# KiCad board Kanagawa_rgb_iso_pico.kicad_pcb
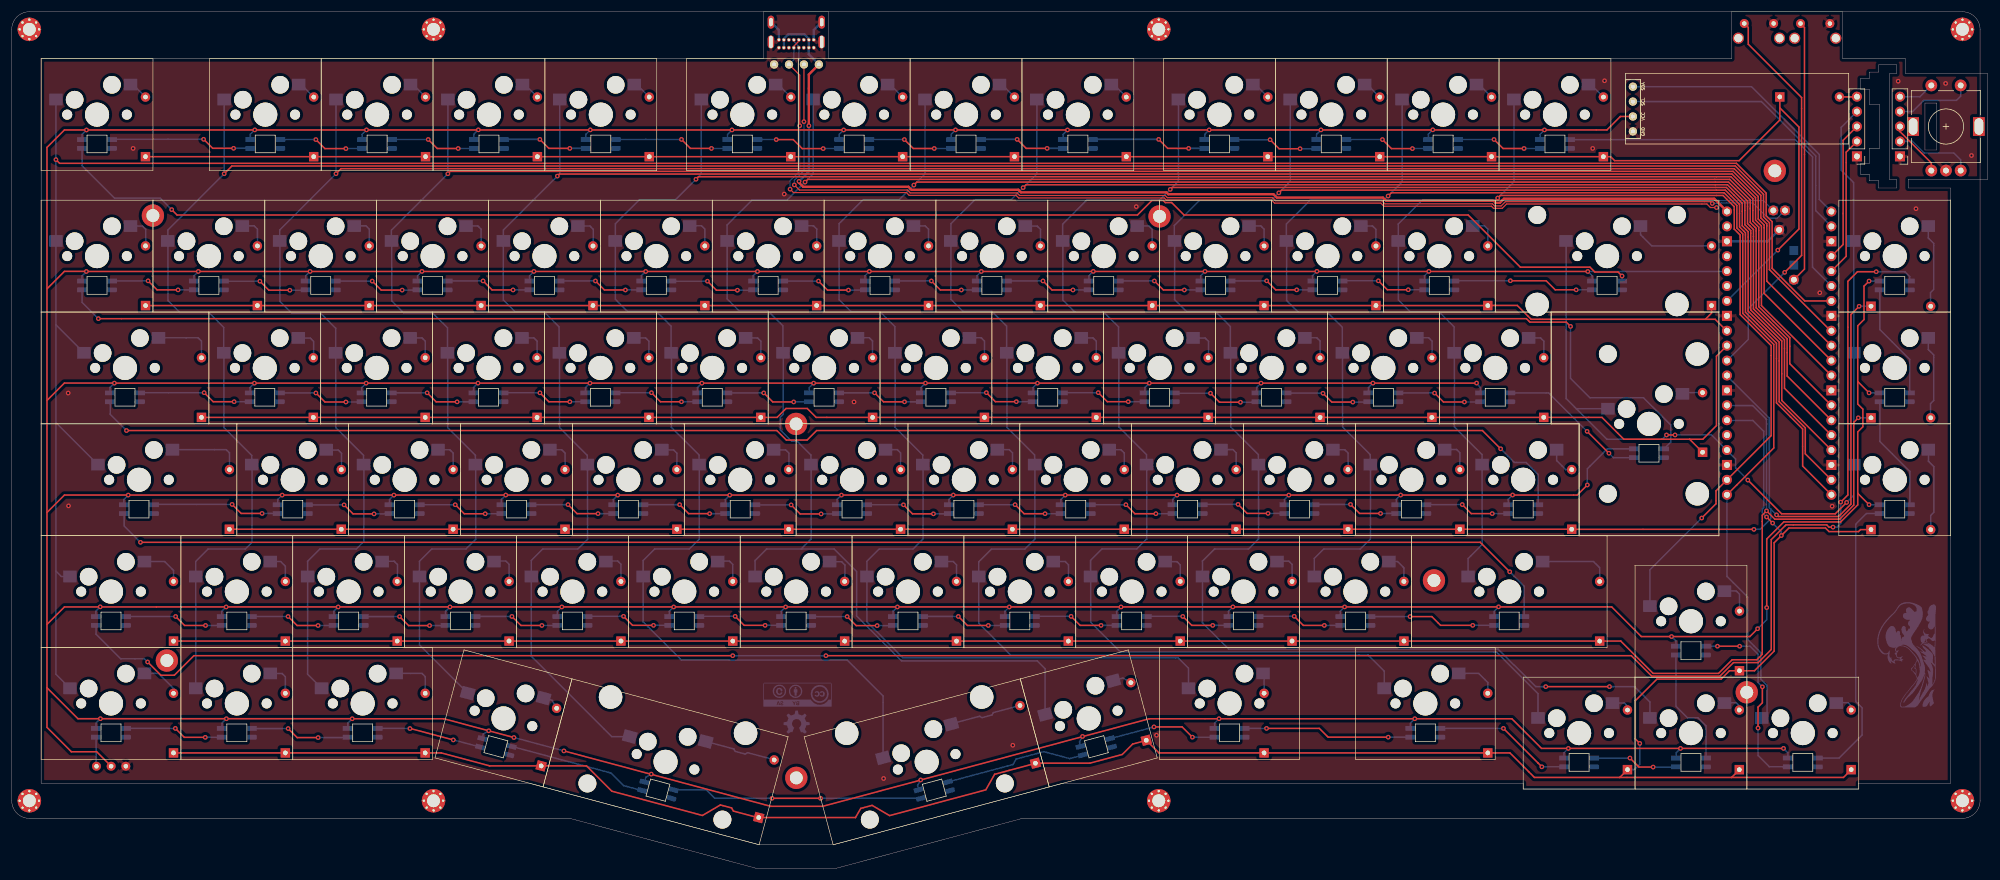
[diagram p0: board, top side]
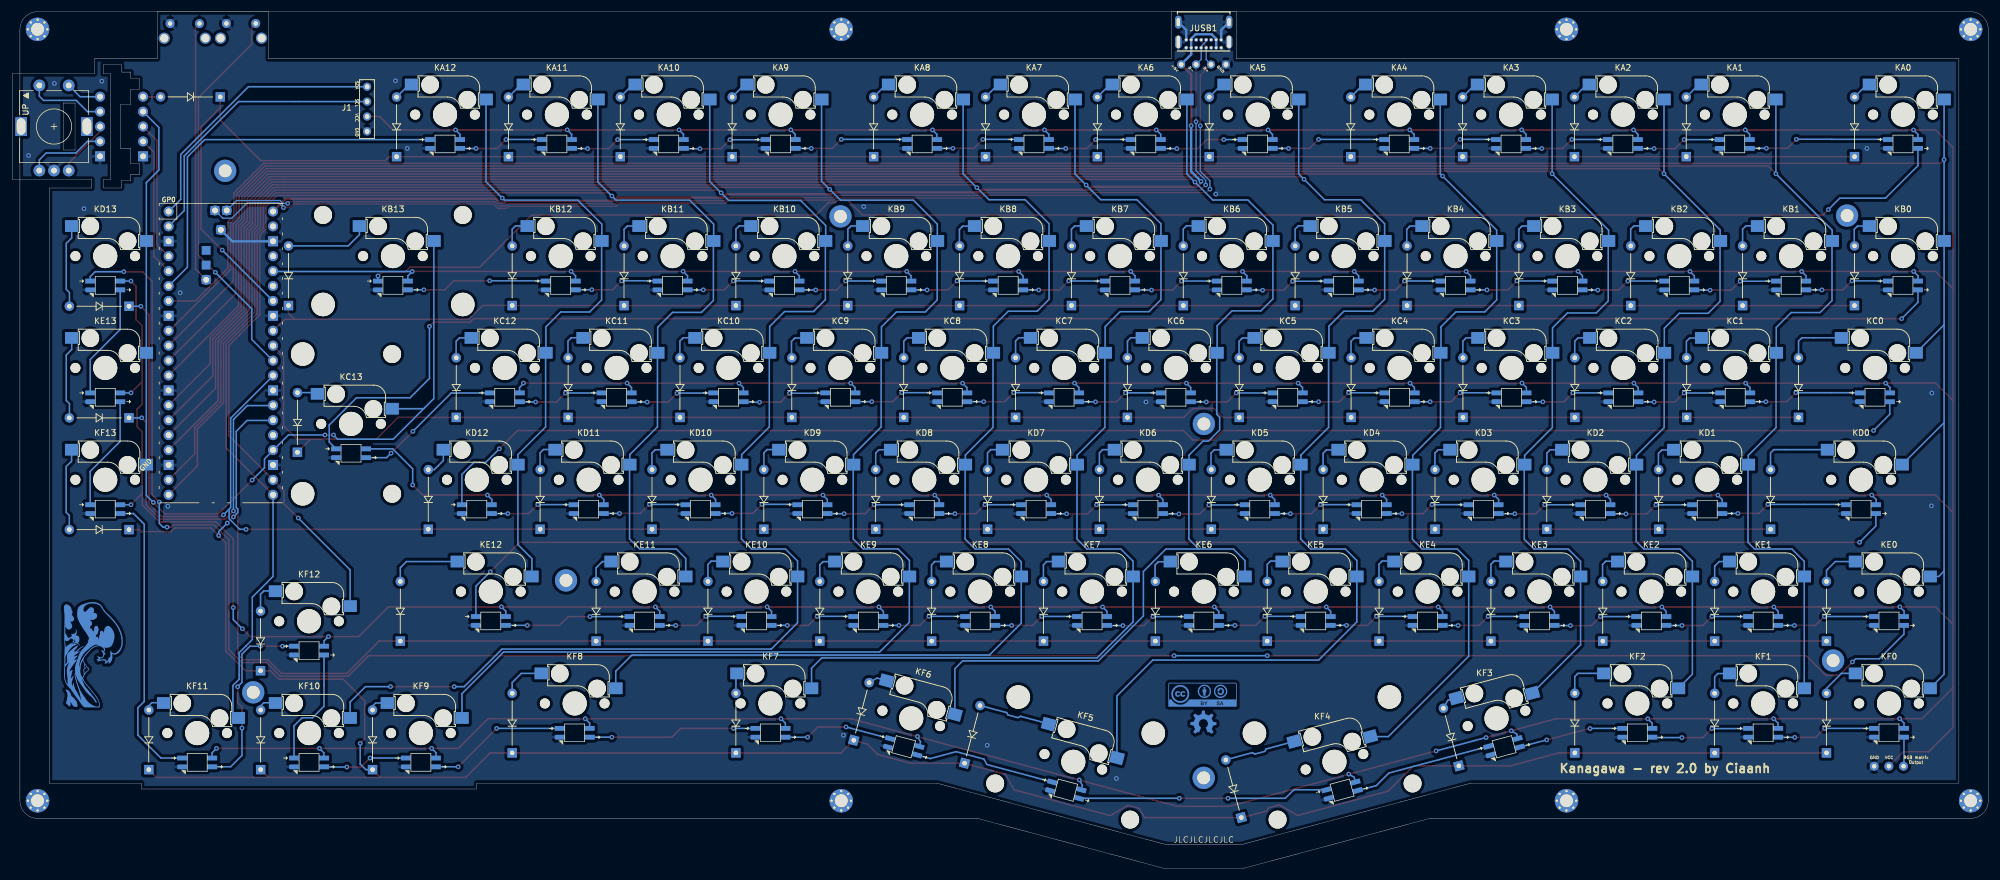
[diagram p1: board, bottom side, seen from below]

Outline 336.54 x 145.9 mm; copper layers: Top, Bottom. Coordinates in mm from the lower left corner of the outline.
Outline path: 0,142.9 arc(0.88,145.02) 3,145.9 332.23,145.9 arc(334.35,145.02) 335.23,142.9 335.23,11.5 arc(334.35,9.38) 332.23,8.5 172.14,8.5 140.42,0 126.76,0 95.04,8.5 3,8.5 arc(0.88,9.38) 0,11.5 0,142.9 ; 5,137.9 5,14.5 88.1,14.5 127.29,4 139.89,4 179.08,14.5 257.41,14.5 257.41,13.5 314.56,13.5 314.56,14.5 330.23,14.5 330.23,115.87 323,115.87 323,117.35 335.23,117.35 336.54,117.35 336.54,135.35 335.23,135.35 322.53,135.35 322.53,137.9 311.83,137.9 311.83,145.9 292.9,145.9 292.9,137.9 139.09,137.9 139.09,145.9 128.09,145.9 128.09,137.9 5,137.9 ; 314.85,134.52 314.85,132.72 316.35,132.72 316.35,130.12 318.11,130.12 318.11,122.62 316.35,122.62 316.35,120.03 314.85,120.03 314.85,118.23 316.35,118.23 316.35,117.12 317.95,117.12 317.95,115.87 321,115.87 321,117.35 319.78,117.35 319.78,135.35 321,135.35 321,136.87 317.95,136.87 317.95,135.62 316.35,135.62 316.35,134.52 314.85,134.52 ; 325.84,130.35 325.84,122.35 327.84,122.35 327.84,130.35 325.84,130.35
Stack: Top 0.035mm / dielectric 1.51mm FR4 er 4.5 / Bottom 0.035mm

## Placement (name value [footprint] x y rotation side)
DA0  D  [Diode_THT]  24.04 120.11 90 top
DA1  D  [Diode_THT]  52.69 120.11 90 top
DA2  D  [Diode_THT]  71.74 120.11 90 top
DA3  D  [Diode_THT]  90.79 120.11 90 top
DA4  D  [Diode_THT]  109.84 120.11 90 top
DA5  D  [Diode_THT]  133.94 120.11 90 top
DA6  D  [Diode_THT]  152.99 120.11 90 top
DA7  D  [Diode_THT]  172.04 120.11 90 top
DA8  D  [Diode_THT]  191.09 120.11 90 top
DA9  D  [Diode_THT]  215.19 120.11 90 top
DA10  D  [Diode_THT]  234.24 120.11 90 top
DA11  D  [Diode_THT]  253.29 120.11 90 top
DA12  D  [Diode_THT]  272.34 120.11 90 top
DA13  D  [Diode_THT]  300.01 130.13 0 top
DB0  D  [Diode_THT]  24.05 94.75 90 top
DB1  D  [Diode_THT]  43.1 94.75 90 top
DB2  D  [Diode_THT]  62.15 94.75 90 top
DB3  D  [Diode_THT]  81.2 94.75 90 top
DB4  D  [Diode_THT]  100.25 94.75 90 top
DB5  D  [Diode_THT]  119.3 94.75 90 top
DB6  D  [Diode_THT]  138.35 94.75 90 top
DB7  D  [Diode_THT]  157.4 94.75 90 top
DB8  D  [Diode_THT]  176.45 94.75 90 top
DB9  D  [Diode_THT]  195.5 94.75 90 top
DB10  D  [Diode_THT]  214.55 94.75 90 top
DB11  D  [Diode_THT]  233.6 94.75 90 top
DB12  D  [Diode_THT]  252.65 94.75 90 top
DB13  D  [Diode_THT]  290.75 94.75 90 top
DC0  D  [Diode_THT]  33.58 75.7 90 top
DC1  D  [Diode_THT]  52.62 75.7 90 top
DC2  D  [Diode_THT]  71.67 75.7 90 top
DC3  D  [Diode_THT]  90.72 75.7 90 top
DC4  D  [Diode_THT]  109.78 75.7 90 top
DC5  D  [Diode_THT]  128.82 75.7 90 top
DC6  D  [Diode_THT]  147.88 75.7 90 top
DC7  D  [Diode_THT]  166.93 75.7 90 top
DC8  D  [Diode_THT]  185.97 75.7 90 top
DC9  D  [Diode_THT]  205.03 75.7 90 top
DC10  D  [Diode_THT]  224.07 75.7 90 top
DC11  D  [Diode_THT]  243.12 75.7 90 top
DC12  D  [Diode_THT]  262.18 75.7 90 top
DC13  D  [Diode_THT]  289.23 69.76 90 top
DD0  D  [Diode_THT]  38.34 56.65 90 top
DD1  D  [Diode_THT]  57.39 56.65 90 top
DD2  D  [Diode_THT]  76.44 56.65 90 top
DD3  D  [Diode_THT]  95.49 56.65 90 top
DD4  D  [Diode_THT]  114.54 56.65 90 top
DD5  D  [Diode_THT]  133.59 56.65 90 top
DD6  D  [Diode_THT]  152.64 56.65 90 top
DD7  D  [Diode_THT]  171.69 56.65 90 top
DD8  D  [Diode_THT]  190.74 56.65 90 top
DD9  D  [Diode_THT]  209.79 56.65 90 top
DD10  D  [Diode_THT]  228.84 56.65 90 top
DD11  D  [Diode_THT]  247.89 56.65 90 top
DD12  D  [Diode_THT]  266.94 56.65 90 top
DD13  D  [Diode_THT]  315.55 94.47 0 top
DE0  D  [Diode_THT]  28.81 37.6 90 top
DE1  D  [Diode_THT]  47.86 37.6 90 top
DE2  D  [Diode_THT]  66.91 37.6 90 top
DE3  D  [Diode_THT]  85.96 37.6 90 top
DE4  D  [Diode_THT]  105.01 37.6 90 top
DE5  D  [Diode_THT]  124.06 37.6 90 top
DE6  D  [Diode_THT]  143.11 37.6 90 top
DE7  D  [Diode_THT]  162.16 37.6 90 top
DE8  D  [Diode_THT]  181.21 37.6 90 top
DE9  D  [Diode_THT]  200.26 37.6 90 top
DE10  D  [Diode_THT]  219.31 37.6 90 top
DE11  D  [Diode_THT]  238.36 37.6 90 top
DE12  D  [Diode_THT]  271.7 37.6 90 top
DE13  D  [Diode_THT]  315.55 75.46 0 top
DF0  D  [Diode_THT]  28.81 18.55 90 top
DF1  D  [Diode_THT]  47.86 18.55 90 top
DF2  D  [Diode_THT]  71.67 18.55 90 top
DF3  D  [Diode_THT]  91.1 16.05 75 top
DF4  D  [Diode_THT]  128.15 7.25 75 top
DF5  D  [Diode_THT]  175.85 17.16 105 top
DF6  D  [Diode_THT]  194.73 21.07 105 top
DF7  D  [Diode_THT]  214.55 18.55 90 top
DF8  D  [Diode_THT]  252.65 18.55 90 top
DF9  D  [Diode_THT]  276.44 15.7 90 top
DF10  D  [Diode_THT]  295.49 15.7 90 top
DF11  D  [Diode_THT]  314.54 15.7 90 top
DF12  D  [Diode_THT]  295.51 32.55 90 top
DF13  D  [Diode_THT]  315.55 56.42 0 top
G***  oshw_logo  [oshw]  133.67 24.87 180 bottom
G***#2  cc_logo  [cc]  133.82 29.56 180 bottom
J1  Oled128x32  [OLED_128x32_I2C]  274.85 135.37 0 top
J2  Conn_01x05  [PinHeader_1x05_P2.54mm_Vertical]  321.58 121.27 180 top
J3  Conn_01x05  [PinHeader_1x05_P2.54mm_Vertical]  314.26 121.27 180 top
J4  Conn_01x03  [conn_3pins]  16.93 17.38 0 top
JUSB1  USB Port  [GCT_USB4085-GF-A_REVA4]  133.62 143.79 0 bottom
JUSB2  USB Breakout  [conn_4pins]  129.84 136.92 0 top
KA0  KEY_SW  [SW_Cherry_MX_1.00u_SK6812MINI-E_Hotswap]  5 137.9 0 top
KA1  KEY_SW  [SW_Cherry_MX_1.00u_SK6812MINI-E_Hotswap]  33.65 137.9 0 top
KA2  KEY_SW  [SW_Cherry_MX_1.00u_SK6812MINI-E_Hotswap]  52.7 137.9 0 top
KA3  KEY_SW  [SW_Cherry_MX_1.00u_SK6812MINI-E_Hotswap]  71.75 137.9 0 top
KA4  KEY_SW  [SW_Cherry_MX_1.00u_SK6812MINI-E_Hotswap]  90.8 137.9 0 top
KA5  KEY_SW  [SW_Cherry_MX_1.00u_SK6812MINI-E_Hotswap]  114.9 137.9 0 top
KA6  KEY_SW  [SW_Cherry_MX_1.00u_SK6812MINI-E_Hotswap]  133.95 137.9 0 top
KA7  KEY_SW  [SW_Cherry_MX_1.00u_SK6812MINI-E_Hotswap]  153 137.9 0 top
KA8  KEY_SW  [SW_Cherry_MX_1.00u_SK6812MINI-E_Hotswap]  172.05 137.9 0 top
KA9  KEY_SW  [SW_Cherry_MX_1.00u_SK6812MINI-E_Hotswap]  196.15 137.9 0 top
KA10  KEY_SW  [SW_Cherry_MX_1.00u_SK6812MINI-E_Hotswap]  215.2 137.9 0 top
KA11  KEY_SW  [SW_Cherry_MX_1.00u_SK6812MINI-E_Hotswap]  234.25 137.9 0 top
KA12  KEY_SW  [SW_Cherry_MX_1.00u_SK6812MINI-E_Hotswap]  253.3 137.9 0 top
KB0  KEY_SW  [SW_Cherry_MX_1.00u_SK6812MINI-E_Hotswap]  5 113.8 0 top
KB1  KEY_SW  [SW_Cherry_MX_1.00u_SK6812MINI-E_Hotswap]  24.05 113.8 0 top
KB2  KEY_SW  [SW_Cherry_MX_1.00u_SK6812MINI-E_Hotswap]  43.1 113.8 0 top
KB3  KEY_SW  [SW_Cherry_MX_1.00u_SK6812MINI-E_Hotswap]  62.15 113.8 0 top
KB4  KEY_SW  [SW_Cherry_MX_1.00u_SK6812MINI-E_Hotswap]  81.2 113.8 0 top
KB5  KEY_SW  [SW_Cherry_MX_1.00u_SK6812MINI-E_Hotswap]  100.25 113.8 0 top
KB6  KEY_SW  [SW_Cherry_MX_1.00u_SK6812MINI-E_Hotswap]  119.3 113.8 0 top
KB7  KEY_SW  [SW_Cherry_MX_1.00u_SK6812MINI-E_Hotswap]  138.35 113.8 0 top
KB8  KEY_SW  [SW_Cherry_MX_1.00u_SK6812MINI-E_Hotswap]  157.4 113.8 0 top
KB9  KEY_SW  [SW_Cherry_MX_1.00u_SK6812MINI-E_Hotswap]  176.45 113.8 0 top
KB10  KEY_SW  [SW_Cherry_MX_1.00u_SK6812MINI-E_Hotswap]  195.5 113.8 0 top
KB11  KEY_SW  [SW_Cherry_MX_1.00u_SK6812MINI-E_Hotswap]  214.55 113.8 0 top
KB12  KEY_SW  [SW_Cherry_MX_1.00u_SK6812MINI-E_Hotswap]  233.6 113.8 0 top
KB13  KEY_SW  [SW_Cherry_MX_2.00u_SK6812MINI-E_Hotswap]  252.65 113.8 0 top
KC0  KEY_SW  [SW_Cherry_MX_1.50u_SK6812MINI-E_Hotswap]  5 94.75 0 top
KC1  KEY_SW  [SW_Cherry_MX_1.00u_SK6812MINI-E_Hotswap]  33.58 94.75 0 top
KC2  KEY_SW  [SW_Cherry_MX_1.00u_SK6812MINI-E_Hotswap]  52.62 94.75 0 top
KC3  KEY_SW  [SW_Cherry_MX_1.00u_SK6812MINI-E_Hotswap]  71.67 94.75 0 top
KC4  KEY_SW  [SW_Cherry_MX_1.00u_SK6812MINI-E_Hotswap]  90.72 94.75 0 top
KC5  KEY_SW  [SW_Cherry_MX_1.00u_SK6812MINI-E_Hotswap]  109.78 94.75 0 top
KC6  KEY_SW  [SW_Cherry_MX_1.00u_SK6812MINI-E_Hotswap]  128.82 94.75 0 top
KC7  KEY_SW  [SW_Cherry_MX_1.00u_SK6812MINI-E_Hotswap]  147.88 94.75 0 top
KC8  KEY_SW  [SW_Cherry_MX_1.00u_SK6812MINI-E_Hotswap]  166.93 94.75 0 top
KC9  KEY_SW  [SW_Cherry_MX_1.00u_SK6812MINI-E_Hotswap]  185.97 94.75 0 top
KC10  KEY_SW  [SW_Cherry_MX_1.00u_SK6812MINI-E_Hotswap]  205.03 94.75 0 top
KC11  KEY_SW  [SW_Cherry_MX_1.00u_SK6812MINI-E_Hotswap]  224.07 94.75 0 top
KC12  KEY_SW  [SW_Cherry_MX_1.00u_SK6812MINI-E_Hotswap]  243.12 94.75 0 top
KC13  KEY_SW  [SW_Cherry_MX_2.25u_SK6812MINI-E_ISO_Hotswap]  262.18 94.75 0 top
KD0  KEY_SW  [SW_Cherry_MX_1.75u_SK6812MINI-E_Hotswap]  5 75.7 0 top
KD1  KEY_SW  [SW_Cherry_MX_1.00u_SK6812MINI-E_Hotswap]  38.34 75.7 0 top
KD2  KEY_SW  [SW_Cherry_MX_1.00u_SK6812MINI-E_Hotswap]  57.39 75.7 0 top
KD3  KEY_SW  [SW_Cherry_MX_1.00u_SK6812MINI-E_Hotswap]  76.44 75.7 0 top
KD4  KEY_SW  [SW_Cherry_MX_1.00u_SK6812MINI-E_Hotswap]  95.49 75.7 0 top
KD5  KEY_SW  [SW_Cherry_MX_1.00u_SK6812MINI-E_Hotswap]  114.54 75.7 0 top
KD6  KEY_SW  [SW_Cherry_MX_1.00u_SK6812MINI-E_Hotswap]  133.59 75.7 0 top
KD7  KEY_SW  [SW_Cherry_MX_1.00u_SK6812MINI-E_Hotswap]  152.64 75.7 0 top
KD8  KEY_SW  [SW_Cherry_MX_1.00u_SK6812MINI-E_Hotswap]  171.69 75.7 0 top
KD9  KEY_SW  [SW_Cherry_MX_1.00u_SK6812MINI-E_Hotswap]  190.74 75.7 0 top
KD10  KEY_SW  [SW_Cherry_MX_1.00u_SK6812MINI-E_Hotswap]  209.79 75.7 0 top
KD11  KEY_SW  [SW_Cherry_MX_1.00u_SK6812MINI-E_Hotswap]  228.84 75.7 0 top
KD12  KEY_SW  [SW_Cherry_MX_1.00u_SK6812MINI-E_Hotswap]  247.89 75.7 0 top
KD13  KEY_SW  [SW_Cherry_MX_1.00u_SK6812MINI-E_Hotswap]  311.18 113.8 0 top
KE0  KEY_SW  [SW_Cherry_MX_1.25u_SK6812MINI-E_Hotswap]  5 56.65 0 top
KE1  KEY_SW  [SW_Cherry_MX_1.00u_SK6812MINI-E_Hotswap]  28.81 56.65 0 top
KE2  KEY_SW  [SW_Cherry_MX_1.00u_SK6812MINI-E_Hotswap]  47.86 56.65 0 top
KE3  KEY_SW  [SW_Cherry_MX_1.00u_SK6812MINI-E_Hotswap]  66.91 56.65 0 top
KE4  KEY_SW  [SW_Cherry_MX_1.00u_SK6812MINI-E_Hotswap]  85.96 56.65 0 top
KE5  KEY_SW  [SW_Cherry_MX_1.00u_SK6812MINI-E_Hotswap]  105.01 56.65 0 top
KE6  KEY_SW  [SW_Cherry_MX_1.00u_SK6812MINI-E_Hotswap]  124.06 56.65 0 top
KE7  KEY_SW  [SW_Cherry_MX_1.00u_SK6812MINI-E_Hotswap]  143.11 56.65 0 top
KE8  KEY_SW  [SW_Cherry_MX_1.00u_SK6812MINI-E_Hotswap]  162.16 56.65 0 top
KE9  KEY_SW  [SW_Cherry_MX_1.00u_SK6812MINI-E_Hotswap]  181.21 56.65 0 top
KE10  KEY_SW  [SW_Cherry_MX_1.00u_SK6812MINI-E_Hotswap]  200.26 56.65 0 top
KE11  KEY_SW  [SW_Cherry_MX_1.00u_SK6812MINI-E_Hotswap]  219.31 56.65 0 top
KE12  KEY_SW  [SW_Cherry_MX_1.75u_SK6812MINI-E_Hotswap]  238.36 56.65 0 top
KE13  KEY_SW  [SW_Cherry_MX_1.00u_SK6812MINI-E_Hotswap]  311.18 94.75 0 top
KF0  KEY_SW  [SW_Cherry_MX_1.25u_SK6812MINI-E_Hotswap]  5 37.6 0 top
KF1  KEY_SW  [SW_Cherry_MX_1.00u_SK6812MINI-E_Hotswap]  28.81 37.6 0 top
KF2  KEY_SW  [SW_Cherry_MX_1.25u_SK6812MINI-E_Hotswap]  47.86 37.6 0 top
KF3  KEY_SW  [SW_Cherry_MX_1.00u_SK6812MINI-E_Hotswap]  77.01 37.19 345 top
KF4  KEY_SW  [SW_Cherry_MX_2.00u_SK6812MINI-E_Hotswap_Reversed]  95.41 32.26 345 top
KF5  KEY_SW  [SW_Cherry_MX_2.00u_SK6812MINI-E_Hotswap_Reversed]  134.96 22.4 15 top
KF6  KEY_SW  [SW_Cherry_MX_1.00u_SK6812MINI-E_Hotswap]  171.76 32.26 15 top
KF7  KEY_SW  [SW_Cherry_MX_1.25u_SK6812MINI-E_Hotswap]  195.5 37.6 0 top
KF8  KEY_SW  [SW_Cherry_MX_1.25u_SK6812MINI-E_Hotswap]  228.84 37.6 0 top
KF9  KEY_SW  [SW_Cherry_MX_1.00u_SK6812MINI-E_Hotswap]  257.41 32.55 0 top
KF10  KEY_SW  [SW_Cherry_MX_1.00u_SK6812MINI-E_Hotswap]  276.46 32.55 0 top
KF11  KEY_SW  [SW_Cherry_MX_1.00u_SK6812MINI-E_Hotswap]  295.51 32.55 0 top
KF12  KEY_SW  [SW_Cherry_MX_1.00u_SK6812MINI-E_Hotswap]  276.46 51.6 0 top
KF13  KEY_SW  [SW_Cherry_MX_1.00u_SK6812MINI-E_Hotswap]  311.18 75.7 0 top
LogoMiddleBack  LOGO  [Wave_mask]  323.48 36.43 270 bottom
MountBaseTop1  MountingHoleBaseTop1  [MountingHole_2.2mm_M2_Pad_Via]  3 11.5 0 top
MountBaseTop2  MountingHoleBaseTop1  [MountingHole_2.2mm_M2_Pad_Via]  3 142.9 0 top
MountBaseTop3  MountingHoleBaseTop1  [MountingHole_2.2mm_M2_Pad_Via]  71.83 11.5 0 top
MountBaseTop4  MountingHoleBaseTop1  [MountingHole_2.2mm_M2_Pad_Via]  71.83 142.9 0 top
MountBaseTop5  MountingHoleBaseTop1  [MountingHole_2.2mm_M2_Pad_Via]  195.34 11.5 0 top
MountBaseTop6  MountingHoleBaseTop1  [MountingHole_2.2mm_M2_Pad_Via]  195.34 142.9 0 top
MountBaseTop7  MountingHoleBaseTop1  [MountingHole_2.2mm_M2_Pad_Via]  332.23 11.5 0 top
MountBaseTop8  MountingHoleBaseTop1  [MountingHole_2.2mm_M2_Pad_Via]  332.23 142.9 0 top
MountTopMiddle1  MountTopMiddle  [MountingHole_2.2mm_M2_Pad]  26.42 35.38 0 top
MountTopMiddle2  MountTopMiddle  [MountingHole_2.2mm_M2_Pad]  24.04 111.18 0 top
MountTopMiddle3  MountTopMiddle  [MountingHole_2.2mm_M2_Pad]  133.62 15.4 0 top
MountTopMiddle4  MountTopMiddle  [MountingHole_2.2mm_M2_Pad]  133.59 75.69 0 top
MountTopMiddle5  MountTopMiddle  [MountingHole_2.2mm_M2_Pad]  242.22 49.03 0 top
MountTopMiddle6  MountTopMiddle  [MountingHole_2.2mm_M2_Pad]  195.48 111.04 0 top
MountTopMiddle7  MountTopMiddle  [MountingHole_2.2mm_M2_Pad]  295.49 29.97 0 top
MountTopMiddle8  MountTopMiddle  [MountingHole_2.2mm_M2_Pad]  300.27 118.8 0 top
RSW0  -  [SW_RST]  297.57 143.9 0 top
RSW1  -  [SW_RST]  307.15 143.89 0 top
SWA13  Rotary_Encoder_Switch  [RotaryEncoder_Alps_EC11E-Switch_Vertical_H20mm]  329.42 126.35 90 top
U0  Pico  [RPi_Pico_TH]  311.51 113.25 180 bottom

## Library data of the parts
JUSB1 = -: MANUFACTURER: Global Connector Technology; MAXIMUM_PACKAGE_HEIGHT: 3.46mm; PARTREV: A4; STANDARD: Manufacturer Recommendations
KA0-KA12 KB0-KB12 KC1-KC12 KD1-KD13 KE1-KE11 KE13 KF1 KF3 KF6 KF9-KF13 = -: Field4: D?; Field5: SW_PUSH
KB13 KF4 KF5 = -: Field4: D?; Field5: D?
KC0 KC13 KD0 KE0 KE12 KF0 KF2 KF7 KF8 = -: Field4: D?
U0 = -: Description: RP2040 microcontroller chip designed by Raspberry Pi in the United Kingdom 2  SPI, 2  I2C, 2  UART, 3  12-bit ADC, 16  controllable PWM channels; Height: 1; Manufacturer_Name: RASPBERRY-PI; Manufacturer_Part_Number: PICO

## Footprints (pads in the part's own frame, mm; a bottom-side part is the same pattern mirrored in y, then rotated)
conn_3pins
  round 1.524 hole 0.762: 1(-2.5,0) 2(0,0) 3(2.5,0)
conn_4pins
  round 1.397 hole 0.813: 1(0,0) 2(2.54,0) 3(5.08,0) 4(7.62,0)
Diode_THT
  rect 1.6x1.6 hole 0.8: 1(1.1,1.263)
  oval 1.6x1.6 hole 0.8: 2(11.26,1.263)
GCT_USB4085-GF-A_REVA4
  round 0.65 hole 0.4: A1(-2.975,4.025) A4(-2.125,4.025) A5(-1.275,4.025) A6(-0.425,4.025) A7(0.425,4.025) A8(1.275,4.025) A9(2.125,4.025) A12(2.975,4.025) B1(2.975,2.675) B4(2.125,2.675) B5(1.275,2.675) B6(0.425,2.675) B7(-0.425,2.675) B8(-1.275,2.675) B9(-2.125,2.675) B12(-2.975,2.675)
  oval 1.108x2.216 hole 0.6x2.1: P1(-4.325,3.045) P2(4.325,3.045)
  oval 1.108x2.216 hole 0.6x1.4: P3(4.325,-0.335) P4(-4.325,-0.335)
MountingHole_2.2mm_M2_Pad
  round 3.8 hole 2.2: 1(0,0)
MountingHole_2.2mm_M2_Pad_Via
  round 0.7 hole 0.4: 1(-1.65,0) 1(-1.167,1.167) 1(-1.167,-1.167) 1(0,1.65) 1(0,-1.65) 1(1.167,1.167) 1(1.167,-1.167) 1(1.65,0)
  round 4 hole 2.2: 1(0,0)
OLED_128x32_I2C
  round 1.397 hole 0.813: 1(1.25,-9.86) 2(1.25,-7.32) 3(1.25,-4.78) 4(1.25,-2.24)
PinHeader_1x05_P2.54mm_Vertical
  rect 1.7x1.7 hole 1: 1(0,0)
  oval 1.7x1.7 hole 1: 2(0,-2.54) 3(0,-5.08) 4(0,-7.62) 5(0,-10.16)
RotaryEncoder_Alps_EC11E-Switch_Vertical_H20mm
  round 2 hole 1: A(-7.5,2.5) B(-7.5,-2.5) C(-7.5,0) S1(7,-2.5) S2(7,2.5)
  rect 3.2x2 hole 2.8x1.5: MP(0,5.6) MP(0,-5.6)
RPi_Pico_TH
  oval 1.7x1.7 hole 1.02: 1(1.61,-1.37) 2(1.61,-3.91) 4(1.61,-8.99) 5(1.61,-11.53) 6(1.61,-14.07) 7(1.61,-16.61) 9(1.61,-21.69) 10(1.61,-24.23) 11(1.61,-26.77) 12(1.61,-29.31) 14(1.61,-34.39) 15(1.61,-36.93) 16(1.61,-39.47) 17(1.61,-42.01) 19(1.61,-47.09) 20(1.61,-49.63) 21(19.39,-49.63) 22(19.39,-47.09) 24(19.39,-42.01) 25(19.39,-39.47) 26(19.39,-36.93) 27(19.39,-34.39) 29(19.39,-29.31) 30(19.39,-26.77) 31(19.39,-24.23) 32(19.39,-21.69) 34(19.39,-16.61) 35(19.39,-14.07) 36(19.39,-11.53) 37(19.39,-8.99) 39(19.39,-3.91) 40(19.39,-1.37)
  rect 1.7x1.7 hole 1.02: 3(1.61,-6.45) 8(1.61,-19.15) 13(1.61,-31.85) 18(1.61,-44.55) 23(19.39,-44.55) 28(19.39,-31.85) 33(19.39,-19.15) 38(19.39,-6.45)
  rect 1.5x1.5 smd: TP1(10.5,-4.5) TP2(11.5,-1.2) TP3(9.5,-1.2) TP4(8,-8) TP5(8,-10.5) TP6(8,-13)
  round 1.7 hole 1: TP1(10.5,-4.5) TP2(11.5,-1.2) TP3(9.5,-1.2) TP6(8,-13)
SW_Cherry_MX_1.00u_SK6812MINI-E_Hotswap
  round 1.7 hole 1.7 unplated: (4.445,-9.525) (14.605,-9.525)
  round 3 hole 3 unplated: (5.715,-6.985) (12.065,-4.445)
  round 4.1 hole 4.1 unplated: (9.525,-9.525)
  rect 2.3x2 smd far side: 1(2.525,-6.945) 2(15.225,-4.405)
  rect 1.7x0.82 smd far side: 3(6.975,-13.775) 4(6.975,-15.275) 6(12.075,-13.775)
  rrect 1.7x0.82 smd far side: 5(12.075,-15.275)
SW_Cherry_MX_1.25u_SK6812MINI-E_Hotswap
  round 1.7 hole 1.7 unplated: (6.826,-9.525) (16.986,-9.525)
  round 3 hole 3 unplated: (8.096,-6.985) (14.446,-4.445)
  round 4.1 hole 4.1 unplated: (11.906,-9.525)
  rect 2.3x2 smd far side: 1(4.906,-6.945) 2(17.606,-4.405)
  rect 1.7x0.82 smd far side: 3(9.356,-13.775) 4(9.356,-15.275) 6(14.456,-13.775)
  rrect 1.7x0.82 smd far side: 5(14.456,-15.275)
SW_Cherry_MX_1.50u_SK6812MINI-E_Hotswap
  round 1.7 hole 1.7 unplated: (9.207,-9.525) (19.367,-9.525)
  round 3 hole 3 unplated: (10.477,-6.985) (16.828,-4.445)
  round 4.1 hole 4.1 unplated: (14.287,-9.525)
  rect 2.3x2 smd far side: 1(7.287,-6.945) 2(19.988,-4.405)
  rect 1.7x0.82 smd far side: 3(11.738,-13.775) 4(11.738,-15.275) 6(16.837,-13.775)
  rrect 1.7x0.82 smd far side: 5(16.837,-15.275)
SW_Cherry_MX_1.75u_SK6812MINI-E_Hotswap
  round 1.7 hole 1.7 unplated: (11.589,-9.525) (21.749,-9.525)
  round 3 hole 3 unplated: (12.859,-6.985) (19.209,-4.445)
  round 4.1 hole 4.1 unplated: (16.669,-9.525)
  rect 2.3x2 smd far side: 1(9.669,-6.945) 2(22.369,-4.405)
  rect 1.7x0.82 smd far side: 3(14.119,-13.775) 4(14.119,-15.275) 6(19.219,-13.775)
  rrect 1.7x0.82 smd far side: 5(19.219,-15.275)
SW_Cherry_MX_2.00u_SK6812MINI-E_Hotswap
  round 3.05 hole 3.05 unplated: (7.15,-2.525) (30.95,-2.525)
  round 4 hole 4 unplated: (7.15,-17.765) (30.95,-17.765)
  round 1.7 hole 1.7 unplated: (13.97,-9.525) (24.13,-9.525)
  round 3 hole 3 unplated: (15.24,-6.985) (21.59,-4.445)
  round 4.1 hole 4.1 unplated: (19.05,-9.525)
  rect 2.3x2 smd far side: 1(12.05,-6.945) 2(24.75,-4.405)
  rect 1.7x0.82 smd far side: 3(16.5,-13.775) 4(16.5,-15.275) 6(21.6,-13.775)
  rrect 1.7x0.82 smd far side: 5(21.6,-15.275)
SW_Cherry_MX_2.00u_SK6812MINI-E_Hotswap_Reversed
  round 4 hole 4 unplated: (7.15,-1.29) (30.95,-1.29)
  round 3.05 hole 3.05 unplated: (7.15,-16.529) (30.95,-16.529)
  round 1.7 hole 1.7 unplated: (13.97,-9.525) (24.13,-9.525)
  round 3 hole 3 unplated: (15.24,-6.985) (21.59,-4.445)
  round 4.1 hole 4.1 unplated: (19.05,-9.525)
  rect 2.3x2 smd far side: 1(12.05,-6.945) 2(24.75,-4.405)
  rect 1.7x0.82 smd far side: 3(16.5,-13.775) 4(16.5,-15.275) 6(21.6,-13.775)
  rrect 1.7x0.82 smd far side: 5(21.6,-15.275)
SW_Cherry_MX_2.25u_SK6812MINI-E_ISO_Hotswap
  round 3.05 hole 3.05 unplated: (9.659,-7.162) (9.659,-30.962)
  round 1.7 hole 1.7 unplated: (11.584,-19.056) (21.744,-19.056)
  round 3 hole 3 unplated: (12.854,-16.517) (19.204,-13.976)
  round 4.1 hole 4.1 unplated: (16.664,-19.056)
  round 4 hole 4 unplated: (24.899,-7.162) (24.899,-30.962)
  rect 2.3x2 smd far side: 1(9.664,-16.477) 2(22.364,-13.937)
  rect 1.7x0.82 smd far side: 3(14.114,-23.306) 4(14.114,-24.806) 6(19.214,-23.306)
  rrect 1.7x0.82 smd far side: 5(19.214,-24.806)
SW_RST
  round 1.524 hole 0.762: 1(-2.5,0) 2(2.5,0)
  round 1.9 hole 1.4: 3(-3.5,-2.5) 3(3.5,-2.5)
